# Altium PCB ШЮГИ.758724.220 Т9М.PcbDoc
Units mil, origin at the board's own origin, x right, y up, seen from the top; angles counter-clockwise.
Board outline 3740.16 x 4724.41 mil, 2 copper layers (Top Layer, Bottom Layer), stack 61.855 mil thick; 76 components, 64 nets, 345 pads, 49 vias.
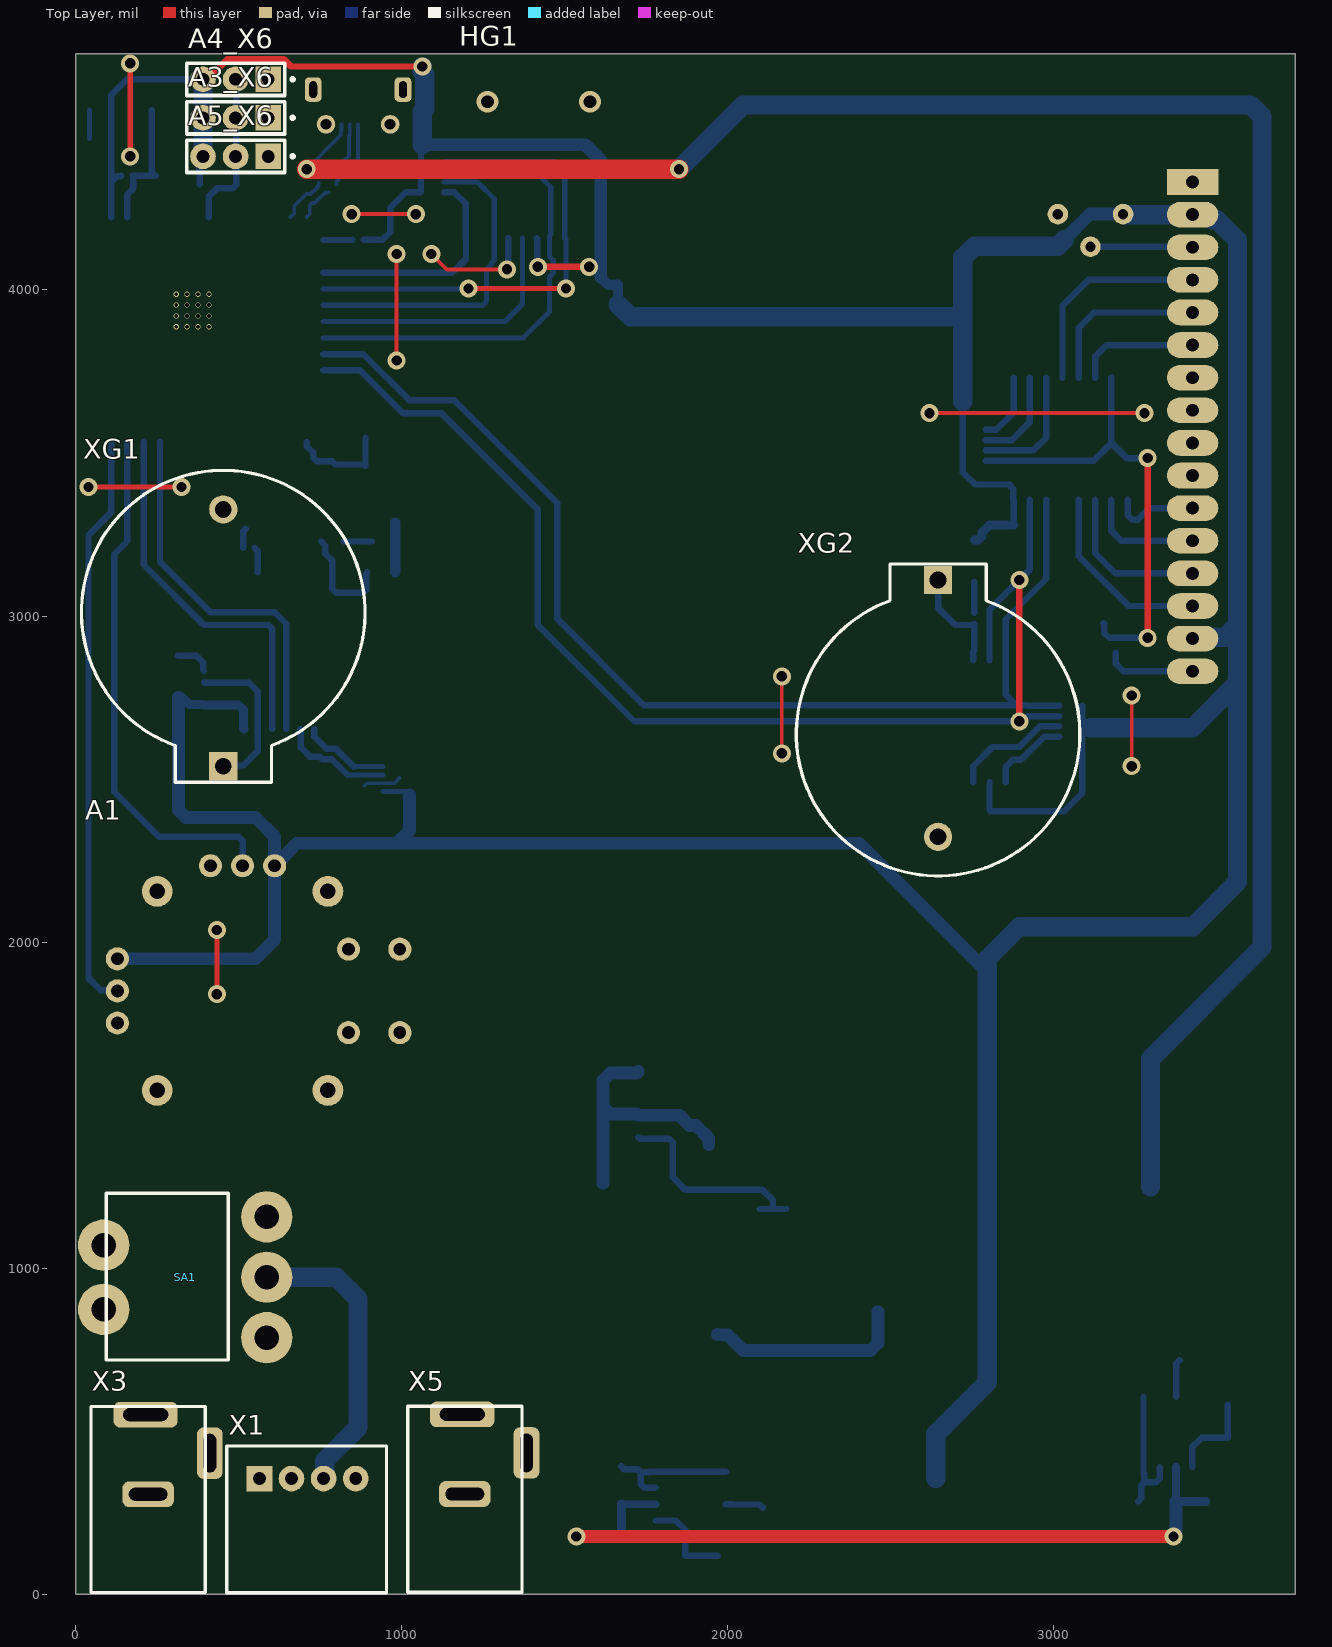
[diagram p0: Top Layer view]
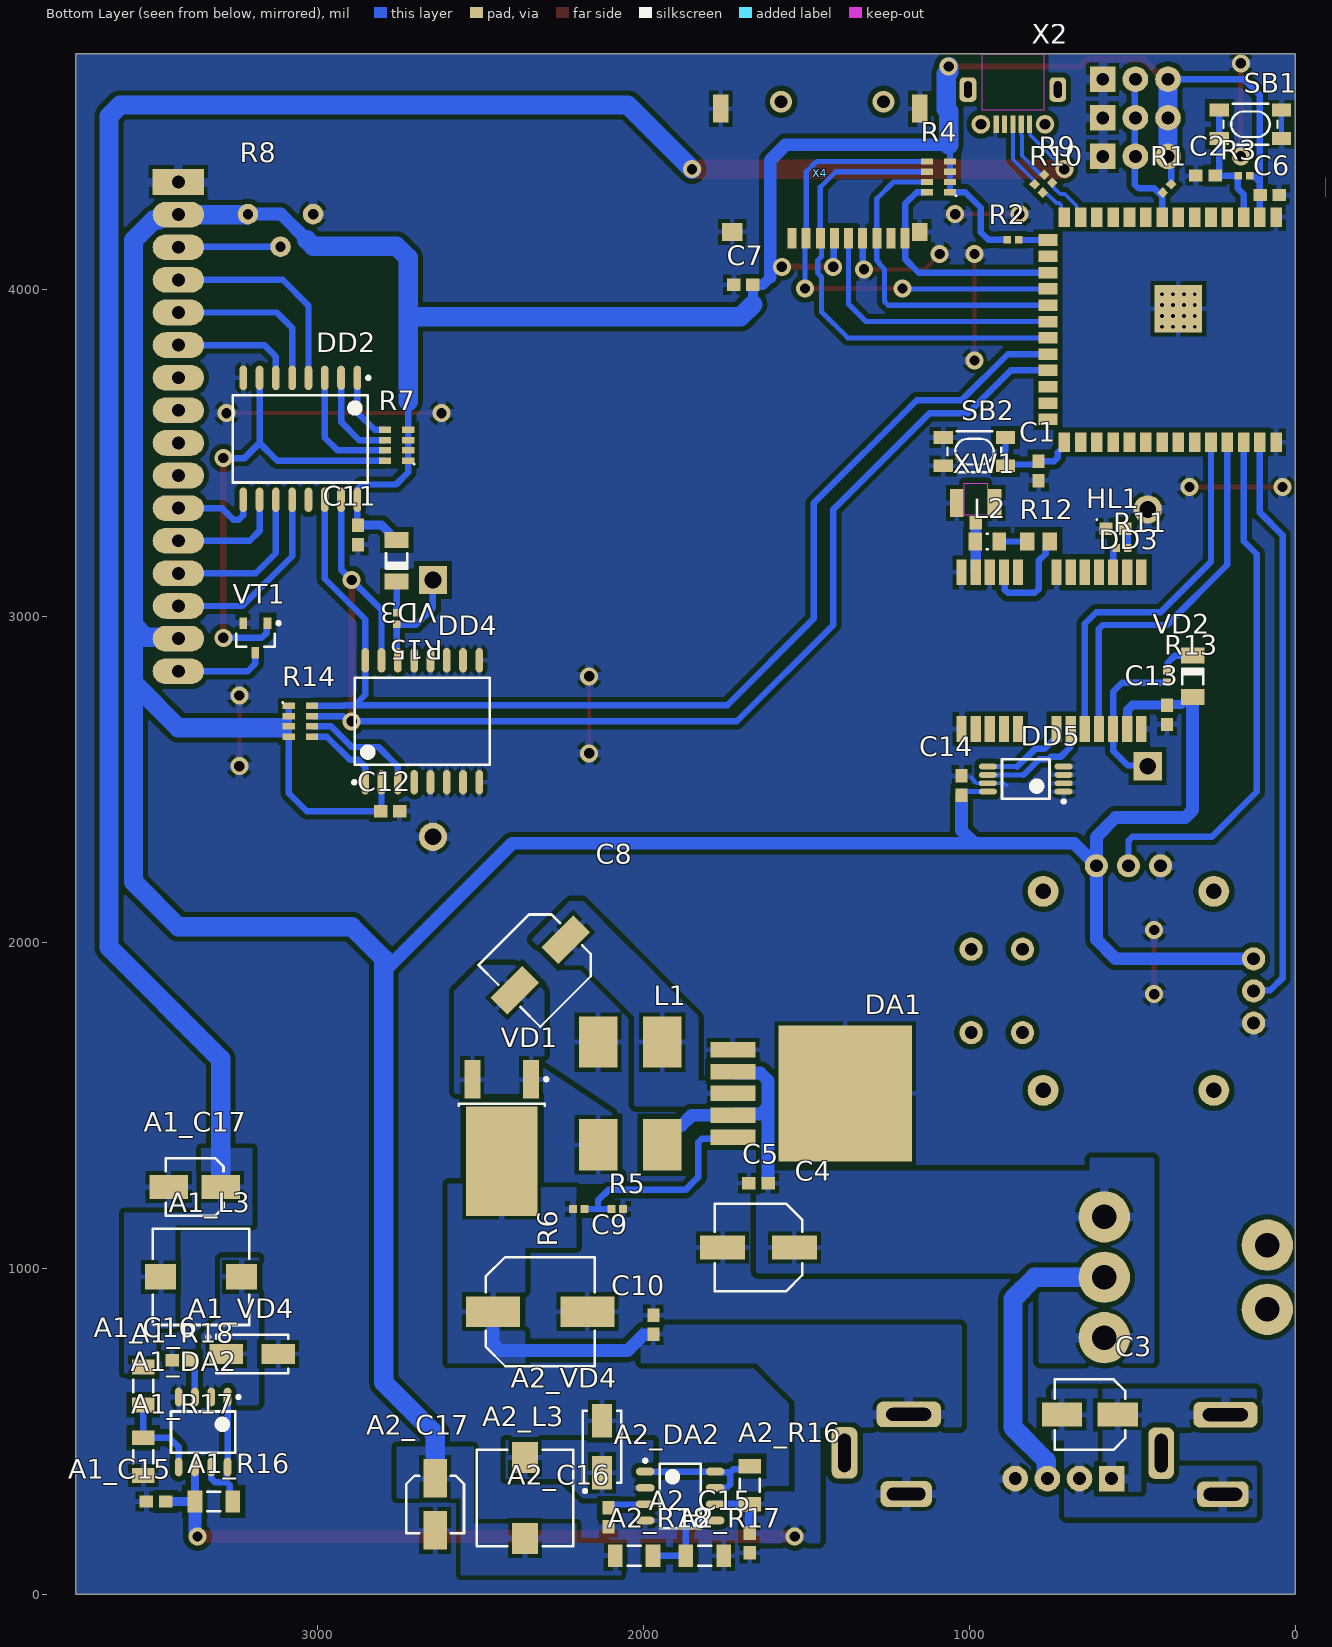
[diagram p1: Bottom Layer view, seen from below]

## Layer stack, top to bottom
Top Solder: solder mask 0.4, Solder Resist, Dk 3.5
Top Layer: signal copper 1.4
Dielectric 1: dielectric 59.0551, FR-4, Dk 4.8
Bottom Layer: signal copper 1.4
Bottom Solder: solder mask 0.4, Solder Resist, Dk 3.5

## Board outline
0,0 0,4724.41 3740.16,4724.41 3740.16,0

## Design rules (kind name [scope] priority, off if disabled: settings)
Clearance [All] p1: gap=11.81 ignorepadtopadclearanceinfootprint=TRUE
DiffPairsRouting [All] p1: maxlimit=19.68 minlimit=6 mostfreqgap=15.75 toplayer_minwidth=11.81 toplayer_maxwidth=19.68 toplayer_prefwidth=15.75 bottomlayer_minwidth=11.81 bottomlayer_maxwidth=19.68 bottomlayer_prefwidth=15.75 maxuncoupledlength=500
Height [All] p1: minheight=0 maxheight=3000 prefheight=1500
PlaneClearance [All] p1: clearance=11.81
PolygonConnect [All] p1: thpad.connectstyle=Relief thpad.reliefconductorwidth=27.56 thpad.reliefentries=4 thpad.polygonreliefangle="90 Angle" thpad.airgapwidth=11.81 smdpad.connectstyle=Relief smdpad.reliefconductorwidth=15.75 smdpad.reliefentries=4 smdpad.polygonreliefangle="90 Angle" smdpad.airgapwidth=11.81 via.connectstyle=Relief via.reliefconductorwidth=27.56 via.reliefentries=4 via.polygonreliefangle="90 Angle" via.airgapwidth=11.81
RoomDefinition A2 [InComponentClass('A2')] p1: confinementstyle=ConfineIn formatcopy=TRUE lockcomponents=FALSE outline 1614.17,39.37 2795.28,39.37 2795.28,610.24 1614.17,610.24
RoomDefinition A1 [InComponentClass('A1')] p2: confinementstyle=ConfineIn formatcopy=TRUE lockcomponents=FALSE outline 3611.5,225.68 3611.5,1406.78 3040.64,1406.78 3040.64,225.68
RoutingVias [All] p1: holewidth=31.5 width=55.12 viastyle="Through Hole" minholewidth=31.5 minwidth=55.12 maxholewidth=31.5 maxwidth=55.12
SolderMaskExpansion [All] p1: expansion=4 istentingtop=FALSE
SupplyNets "Schematic Supply Nets_2" [InNet('3V3')] p1: voltage=0.000
SupplyNets "Schematic Supply Nets_1" [InNet('12VP')] p2: voltage=0.000
SupplyNets "Schematic Supply Nets" [InNet('GND')] p3: voltage=0.000
Width [InNet('NetDD3_11')] p1: maxlimit=39.37 minlimit=27.56 preferedwidth=31.5
Width Width0 [InNetClass('PWR')] p2: maxlimit=59.06 minlimit=11.81 preferedwidth=19.68
Width Width1 [All] p3: maxlimit=19.68 minlimit=9.84 preferedwidth=15.75
27 further rules are at their usual default settings.

## Classes and differential pairs
net class PWR: 3V3 5VD 12VP GND NetC3_1 NetC3_2 NetC4_1 NetC8_1 NetC8_2 NetDA1_5 NetSA1_2
channel class "ШЮГИ.468262.004 Э3 Л3": A3 A4 A5
channel class "ШЮГИ.468262.004 Э3 Л2": A1 A2
component class "ШЮГИ.468262.004 Э3 Л1": A1 C1 C2 C3 C4 C5 C6 C7 C8 C9 C10 C11 C12 C13 C14 DA1 DD1 DD2 DD3 DD4 DD5 HG1 HL1 L1 L2 R1 R2 R3 R4 R5 R6 R7 R8 R9 R10 R11 R12 R13 R14 R15 SA1 SB1 SB2 VD1 VD2 VD3 VT1 X1 X2 X3 X4 X5 XG1 XG2 XW1
component class A5: A5_X6
component class A4: A4_X6
component class A3: A3_X6
component class A2: A2_C15 A2_C16 A2_C17 A2_DA2 A2_L3 A2_R16 A2_R17 A2_R18 A2_VD4
component class A1: A1_C15 A1_C16 A1_C17 A1_DA2 A1_L3 A1_R16 A1_R17 A1_R18 A1_VD4
differential pair D1: +D1_P -D1_N
differential pair 1D: +1D_P -1D_N

## Components (designator, comment, footprint, x,y, rotation, side; value= is the part's Value field where it differs from the comment)
A1 "KY-023 Aitewin Robot" JOISTIK 511.81,1850.39 r90 top
A1_C15 "0603B104J500CT Thunder" C0603 3493.39,284.73 r0 bottom value="0,1 uF" (schematic designator C15)
A1_C16 "0603B561J500CT Thunder" C0603 3414.65,717.8 r0 bottom value="560 pF" (schematic designator C16)
A1_C17 "JCK1C100M040054 JB Capacitors" AL4X54 3375.28,1249.3 r0 bottom value="10 uF" (schematic designator C17)
A1_DA2 "MC34063ADG" SO-8 3349.33,497.83 r270 bottom (schematic designator DA2)
A1_L3 "CDRH74NP-101MC-B SUMIDA CORPORATION" INDP7373X45N 3355.6,973.71 r0 bottom value="100 uH" (schematic designator L3)
A1_R16 "CRL1206-FW-R220ELF Bourns" R1206 3316.23,284.73 r180 bottom value="0,22 Ом" (schematic designator R16)
A1_R17 "Р1-12-0,25-1,21 кОм±2 %-Т-Л-М АБШК.434110.023 ТУ" R1206 3532.76,422.53 r90 bottom value="1,21 кОм" (schematic designator R17)
A1_R18 "Р1-12-0,25-3,65 кОм±2 %-Т-Л-М АБШК.434110.023 ТУ" R1206 3532.76,639.06 r90 bottom value="3,65 кОм" (schematic designator R18)
A1_VD4 "10MQ040 Sunmate Electronics" DO-214AC 3198.12,737.49 r180 bottom (schematic designator VD4)
A2_C15 "0603B104J500CT Thunder" C0603 1673.23,157.48 r270 bottom value="0,1 uF" (schematic designator C15)
A2_C16 "0603B561J500CT Thunder" C0603 2106.3,236.22 r270 bottom value="560 pF" (schematic designator C16)
A2_C17 "JCK1C100M040054 JB Capacitors" AL4X54 2637.8,275.59 r270 bottom value="10 uF" (schematic designator C17)
A2_DA2 "MC34063ADG" SO-8 1886.33,301.54 r180 bottom (schematic designator DA2)
A2_L3 "CDRH74NP-101MC-B SUMIDA CORPORATION" INDP7373X45N 2362.2,295.28 r270 bottom value="100 uH" (schematic designator L3)
A2_R16 "CRL1206-FW-R220ELF Bourns" R1206 1673.23,334.65 r90 bottom value="0,22 Ом" (schematic designator R16)
A2_R17 "Р1-12-0,25-1,21 кОм±2 %-Т-Л-М АБШК.434110.023 ТУ" R1206 1811.02,118.11 r0 bottom value="1,21 кОм" (schematic designator R17)
A2_R18 "Р1-12-0,25-3,65 кОм±2 %-Т-Л-М АБШК.434110.023 ТУ" R1206 2027.56,118.11 r0 bottom value="3,65 кОм" (schematic designator R18)
A2_VD4 "10MQ040 Sunmate Electronics" DO-214AC 2125.98,452.76 r90 bottom (schematic designator VD4)
A3_X6 "DS1021-01-1*3SSF112" PLS-3 590.55,4527.56 r180 top (schematic designator X6)
A4_X6 "DS1021-01-1*3SSF112" PLS-3 590.55,4645.67 r180 top (schematic designator X6)
A5_X6 "DS1021-01-1*3SSF112" PLS-3 590.55,4409.45 r180 top (schematic designator X6)
C1 "0603B104J500CT Thunder" C0603 787.4,3444.88 r270 bottom value="0,1 uF"
C2 "0603B104J500CT Thunder" C0603 275.59,4350.39 r0 bottom value="0,1 uF"
C3 "JCK1E100M050054 JB Capacitors" AL5X54 629.92,551.18 r0 bottom value="10 uF"
C4 "JCK1E470M063054 JB Capacitors" AL63X54 1646.21,1063.66 r0 bottom value="47 uF"
C5 "0603B104J500CT Thunder" C0603 1646.21,1260.51 r0 bottom value="0,1 uF"
C6 "0603B104J500CT Thunder" C0603 78.74,4291.34 r180 bottom value="0,1 uF"
C7 "0603B104J500CT Thunder" C0603 1692.91,4015.75 r180 bottom value="0,1 uF"
C8 "JCK1E220M063054 JB Capacitors" AL63X54 2315.5,1929.8 r315 bottom value="22 uF"
C9 "JCK1C221M080105 JB Capacitors" AL8X105 2315.5,866.81 r180 bottom value="220 uF"
C10 "0603B104J500CT Thunder" C0603 1968.5,826.77 r90 bottom value="0,1 uF"
C11 "0603B104J500CT Thunder" C0603 2874.02,3248.03 r90 bottom value="0,1 uF"
C12 "0603B104J500CT Thunder" C0603 2775.6,2401.58 r180 bottom value="0,1 uF"
C13 "0603B104J500CT Thunder" C0603 393.7,2696.85 r270 bottom value="0,1 uF"
C14 "0603B104J500CT Thunder" C0603 1023.62,2480.31 r90 bottom value="0,1 uF"
DA1 "XL6009E1" TO-263-5 1488.73,1536.1 r270 bottom
DD1 "ESP32-S3-WROOM1 MON16R8" ESP32-S3-WROOM1 358.66,3877.95 r180 bottom
DD2 "PCF8574T" "SOIC16 (10.3)" 3051.19,3543.31 r270 bottom
DD3 "NEO-6M" NEO-M8N 748.03,2893.7 r270 bottom
DD4 "DS3231S#" "SOIC16 (10.3)" 2677.17,2677.16 r90 bottom
DD5 "24AA32AT-I/ST" TSOP8 826.77,2500 r0 bottom
HG1 "BCB2004-03-LW-SNMWD Blaze Display Technology" LCD2004 3425.2,4330.71 r270 top
HL1 "FYLS-0603GC Ningbo Foryard Optoelectronics" L0603 551.18,3267.72 r0 bottom
L1 "7448991470 Würth Elektronik" 7448991220 2039.91,1536.1 r180 bottom value="47 uH"
L2 "LQM21DN220N00L Murata Electronics" IND0805 944.88,3228.35 r180 bottom value="22 uH"
R1 "Р1-12-0,063-10 кОм±2 %-Т-Л-М АБШК.434110.023 ТУ" R0402 393.7,4311.02 r135 bottom value="10 кОм"
R2 "Р1-12-0,063-10 кОм±2 %-Т-Л-М АБШК.434110.023 ТУ" R0402 866.14,4153.54 r0 bottom value="10 кОм"
R3 "Р1-12-0,063-10 кОм±2 %-Т-Л-М АБШК.434110.023 ТУ" R0402 157.48,4350.39 r0 bottom value="10 кОм"
R4 "НР1-86-6-10 кОм±1 %-М-«А» ШКАБ.434110.039 ТУ" НР1-86-6 1094.49,4346.46 r0 bottom value="10 кОм"
R5 "Р1-12-0,063-10 кОм±2 %-Т-Л-М АБШК.434110.023 ТУ" R0402 2079.28,1181.77 r0 bottom value="10 кОм"
R6 "Р1-12-0,063-86,6 кОм±2 %-Т-Л-М АБШК.434110.023 ТУ" R0402 2197.39,1181.77 r0 bottom value="86,6 кОм"
R7 "НР1-86-6-10 кОм±1 %-М-«А» ШКАБ.434110.039 ТУ" НР1-86-6 2755.91,3523.62 r0 bottom value="10 кОм"
R8 "3362P-1-103LF Bourns" 3362P 3011.82,4232.28 r0 bottom value="10 кОм"
R9 "Р1-12-0,063-22,1 Ом±2 %-Т-Л-М АБШК.434110.023 ТУ" R0402 757.87,4340.55 r225 bottom value="22,1 Ом"
R10 "Р1-12-0,063-22,1 Ом±2 %-Т-Л-М АБШК.434110.023 ТУ" R0402 787.4,4311.02 r225 bottom value="22,1 Ом"
R11 "Р1-12-0,063-1 кОм±2 %-Т-Л-М АБШК.434110.023 ТУ" R0402 531.5,3208.66 r0 bottom value="1 кОм"
R12 "Р1-12-0,125-22,1 Ом±2 %-Т-Л-М АБШК.434110.023 ТУ" R0805 787.4,3228.35 r180 bottom value="22,1 Ом"
R13 "Р1-12-0,063-1 кОм±2 %-Т-Л-М АБШК.434110.023 ТУ" R0402 393.7,2814.96 r90 bottom value="1 кОм"
R14 "НР1-86-6-10 кОм±1 %-М-«А» ШКАБ.434110.039 ТУ" НР1-86-6 3051.19,2677.17 r180 bottom value="10 кОм"
R15 "Р1-12-0,063-1 кОм±2 %-Т-Л-М АБШК.434110.023 ТУ" R0402 2755.91,2992.13 r270 bottom value="1 кОм"
SA1 "MTS-103-C3 Massuse Ltd." MTS-101-C3 585.94,787.4 r90 top
SB1 "KLS7-TS3401-2.5-250-B KLS Electronics Co., Ltd." TS3401 137.8,4507.87 r0 bottom
SB2 "KLS7-TS3401-2.5-250-B KLS Electronics Co., Ltd." TS3401 984.25,3503.94 r180 bottom
VD1 "VS-50WQ03FN-M3 Vishay Intertechnology Inc." "D-PAK 50WQ03" 2433.61,1417.99 r270 bottom
VD2 "LL4148 Diotec Semiconductor" SOD80 314.96,2814.96 r90 bottom
VD3 "LL4148 Diotec Semiconductor" SOD80 2755.91,3169.29 r270 bottom
VT1 "BC847 NXP Semiconductors" SOT-23-3 3188.98,2933.07 r270 bottom
X1 "DS1069-4MRW6XB Connfly electronic" CWF-4R 563.53,355 r0 top
X2 "1050017-0001" "MICRO USB" 866.14,4507.87 r0 bottom
X3 "DS-261A-PA9T-NB-210 Dragon City Industries" DS-261 222.44,551.01 r270 top
X4 "TFP09-2-12B" TFP09212B 1456.69,4429.13 r270 bottom
X5 "DS-261A-PA9T-NB-210 Dragon City Industries" DS-261 1193.45,551.85 r270 top
XG1 "KLS5-CR2032-01 KLS electronic co ltd" KLS5-CR2032-01 452.76,2539.37 r90 top (schematic designator G1)
XG2 "KLS5-CR2032-01 KLS electronic co ltd" KLS5-CR2032-01 2644.59,3110.24 r270 top (schematic designator G2)
XW1 "U.FL-R-SMT-1 HIROSE ELECTRIC CO., LTD." U.FL-R-SMT-1 980.32,3346.46 r180 bottom (schematic designator WA1)

## Footprints (in the part's own frame and the unit in brackets; to place one, negate y for a bottom-side part, rotate by r counter-clockwise, add the part's x,y. Pads: shape width x height; smd on the part's side, far side on the other; paste and mask are expansions set on the pad)
3362P [mm]
  round 1.6 hole 0.8: 1(0,0) 2(2.54,2.54) 3(5.08,0)
  body extent -0.76,-3.3 5.84,3.3, height 4.4
7448991220 [mm]
  rect 3x4 smd: 1(-2.5,4) 2(-2.5,-4) 3(2.5,-4) 4(2.5,4)
AL4X54 [mm] "Aluminum Electrolytic Capacitor, Body 4,30x4,30x5,70mm, IPC Low Density"
  rect 3x1.85 smd: 1(-2.025,0) 2(2.025,0)
  silkscreen extent -2.25,-2.25 2.25,2.25, body extent -2.6,-2.25 2.6,2.25, height 5.7
AL5X54 [mm] "Aluminum Electrolytic Capacitor, Body 5,30x5,30x5,70mm, IPC Low Density"
  rect 3.15x1.85 smd: 1(-2.175,0) 2(2.175,0)
  silkscreen extent -2.75,-2.75 2.75,2.75, body extent -2.9,-2.75 2.9,2.75, height 5.7
AL8X105 [mm] "Aluminum Electrolytic Capacitor, Body 8,30x8,30x10,50mm, IPC Low Density"
  rect 4.2x2.4 smd: 1(-3.675,0) 2(3.675,0)
  silkscreen extent -4.25,-4.25 4.25,4.25, body extent -4.65,-4.25 4.65,4.25, height 10.5
AL63X54 [mm] "Aluminum Electrolytic Capacitor, Body 6,60x6,60x6,50mm, IPC Low Density"
  rect 3.5x1.85 smd: 1(-2.794,0) 2(2.794,0)
  silkscreen extent -3.4,-3.4 3.4,3.4, body extent -3.8,-3.4 3.8,3.4, height 6.5
C0603 [mm] "Chip Capacitor, 2-Leads, Body 1,60x0,80mm, IPC Medium Density"
  rect 1.05x0.95 smd: 1(-0.75,0) 2(0.75,0)
  body extent -0.87,-0.45 0.87,0.45, height 0.55
CWF-4R [mm]
  rect 2x2 hole 1: 1(0,0)
  round 2 hole 1: 2(2.5,0) 3(5,0) 4(7.5,0)
  silkscreen extent -2.54,-8.89 9.91,2.54, body extent -2.5,-8.88 10,2.62, height 5.75
"D-PAK 50WQ03" [mm] "D-PAK, 3-Pads, Body 6,21x6,73mm (max), IPC Medium Density"
  rect 3x1.25 smd: 1(-4.1,-2.29) 1(-4.1,2.29)
  rect 8.5x5.55 smd: 2(2.286,0)
  silkscreen extent -4.22,-3.35 -2.05,3.59, body extent -4.35,-3.38 5.56,3.37, height 2.38
DO-214AC [mm] "Molded Diode, 2-Leads, Body 5,20x2,73mm, IPC Medium Density"
  rect 2.6x1.55 smd: 1(2.025,0) 2(-2.025,0)
  silkscreen extent -3.58,-1.5 2.8,1.5, body extent -3.02,-1.48 3.02,1.47, height 2.2
DS-261 [mm]
  rrect50% 2x5 hole 1 slot 3.5 at 90 deg: 1(0,-0.2)
  rrect50% 2x4 hole 1 slot 3 at 90 deg: 2(6.2,0)
  rrect50% 4x2 hole 1 slot 3 at 0 deg: 3(3,4.8)
  silkscreen extent -0.64,-4.44 13.84,4.45, body extent -0.3,-4.65 13.6,4.65, height 11
ESP32-S3-WROOM1 [mm]
  rect 0.9x1.5 smd mask+0.051: 1(7.62,8.763) 2(6.35,8.763) 3(5.08,8.763) 4(3.81,8.763) 5(2.54,8.763) 6(1.27,8.763) 7(0,8.763) 8(-1.27,8.763) 9(-2.54,8.763) 10(-3.81,8.763) 11(-5.08,8.763) 12(-6.35,8.763) 13(-7.62,8.763) 14(-8.89,8.763) 27(-8.89,-8.763) 28(-7.62,-8.763) 29(-6.35,-8.763) 30(-5.08,-8.763) 31(-3.81,-8.763) 32(-2.54,-8.763) 33(-1.27,-8.763) 34(0,-8.763) 35(1.27,-8.763) 36(2.54,-8.763) 37(3.81,-8.763) 38(5.08,-8.763) 39(6.35,-8.763) 40(7.62,-8.763)
  rect 1.5x0.9 smd mask+0.051: 15(-10.16,6.985) 16(-10.16,5.715) 17(-10.16,4.445) 18(-10.16,3.175) 19(-10.16,1.905) 20(-10.16,0.635) 21(-10.16,-0.635) 22(-10.16,-1.905) 23(-10.16,-3.175) 24(-10.16,-4.445) 25(-10.16,-5.715) 26(-10.16,-6.985)
  rect 3.7x3.7 smd mask+0.051: 41(0,1.621)
  body extent -10.4,-9.01 15.11,9.01, height 3.16
IND0805 [mm] "Chip Inductor, 2-Leads, Body 2,00x1,25mm, IPC Medium Density"
  rect 1.03x1.43 smd: 1(-0.935,0) 2(0.935,0)
  silkscreen extent -0.05,-0.62 0.05,0.62, body extent -1.1,-0.7 1.1,0.7, height 0.6
INDP7373X45N [mm] "Precision Wire Wound Inductor, 2-Leads, Body 7,30x7,30mm, IPC Medium Density"
  rect 2.4x2 smd: 1(-3.15,0) 2(3.15,0)
  silkscreen extent -3.75,-3.75 3.75,3.75, body extent -3.65,-3.65 3.65,3.65, height 4.51
JOISTIK [mm]
  round 2.4 hole 1.2: 0(-7.75,-6.65) 0(-7.75,6.65) 0(7.75,-6.65) 0(7.75,6.65)
  round 1.8 hole 1: 1(9.75,-2.5) 1'(2.5,9.75) 1S(-3.25,-8.25) 1S(3.25,-8.25) 2(9.75,0) 2'(0,9.75) 2S(-3.25,-12.25) 2S(3.25,-12.25) 3(9.75,2.5) 3'(-2.5,9.75)
  body extent -12.57,-14.59 12.57,12.5, height 30.95
KLS5-CR2032-01 [mm]
  round 2.2 hole 1.3: 1(20,0)
  rect 2.2x2.2 hole 1.3: 2(0,0)
  silkscreen extent -1.25,-11.04 23.04,11.04, body extent -1.25,-11.05 23.04,11.05, height 8.7
L0603 [mm] "Chip Diode, 2-Leads, Body 1,60x0,85mm, IPC Medium Density"
  rect 1x1 smd: 1(-0.75,0) 2(0.75,0)
  silkscreen extent 1.41,-0.76 1.51,-0.66, body extent -0.8,-0.4 0.8,0.4, height 1.1
LCD2004 [mm]
  rect 2x4 hole 1: 1(0,0)
  oval 2x4 hole 1: 2(2.54,0) 3(5.08,0) 4(7.62,0) 5(10.16,0) 6(12.7,0) 7(15.24,0) 8(17.78,0) 9(20.32,0) 10(22.86,0) 11(25.4,0) 12(27.94,0) 13(30.48,0) 14(33.02,0) 15(35.56,0) 16(38.1,0)
  body extent -9.86,-57.38 88.21,2.57, height 22.24
"MICRO USB" [mm]
  rrect50% 1.3x1.9 hole 0.6 slot 1.3 at 90 deg mask+0.102: 0(-3.5,-2.7) 0(3.5,-2.7)
  round 1.45 hole 0.85 mask+0.102: 0(-2.5,0) 0(2.5,0)
  rect 0.4x1.35 smd mask+0.102: 1(-1.3,0) 2(-0.65,0) 3(0,0) 4(0.65,0) 5(1.3,0)
  Top Layer keep-out region: -2.4,-1.1 2.4,-1.1 2.4,-5.5 -2.4,-5.5
  body extent -4.03,-5.4 4.03,0.4, height 2.73
MTS-101-C3 [mm]
  round 4 hole 1.9: 0(2.2,12.7) 0(7.2,12.7) 1(0,0) 2(4.7,0) 3(9.4,0)
  silkscreen extent -1.75,3 11.25,12.5, body extent -1.85,-0.5 11.35,31.38, height 8.03
NEO-M8N [mm]
  rect 2x0.8 smd mask+0.051: 1(-6.1,7) 2(-6.1,5.9) 3(-6.1,4.8) 4(-6.1,3.7) 5(-6.1,2.6) 6(-6.1,1.5) 7(-6.1,0.4) 8(-6.1,-2.6) 9(-6.1,-3.7) 10(-6.1,-4.8) 11(-6.1,-5.9) 12(-6.1,-7) 13(6.1,-7) 14(6.1,-5.9) 15(6.1,-4.8) 16(6.1,-3.7) 17(6.1,-2.6) 18(6.1,0.4) 19(6.1,1.5) 20(6.1,2.6) 21(6.1,3.7) 22(6.1,4.8) 23(6.1,5.9) 24(6.1,7)
  body extent -6.1,-8 6.1,8, height 2.42
PLS-3 [mm]
  rect 2x2 hole 1: 1(0,0)
  round 2 hole 1: 2(2.54,0) 3(5.08,0)
  silkscreen extent -2,-1.25 6.35,1.25, body extent -1.27,-1.27 6.35,1.27, height 8.6
R0402 [mm] "Chip Resistor, 2-Leads, Body 1,00x0,50mm, IPC Medium Density"
  rect 0.6x0.6 smd: 1(-0.45,0) 2(0.45,0)
  body extent -0.55,-0.3 0.55,0.3, height 0.35
R0805 [mm] "Chip Resistor, 2-Leads, Body 2,00x1,25mm, IPC Medium Density"
  rect 1.15x1.4 smd: 1(-0.875,0) 2(0.875,0)
  body extent -1.1,-0.7 1.1,0.7, height 0.6
R1206 [mm] "Chip Resistor, 2-Leads, Body 3,18x1,60mm, IPC Medium Density"
  rect 1.15x1.75 smd: 1(-1.475,0) 2(1.475,0)
  silkscreen extent -0.5,-0.77 0.5,0.77, body extent -1.68,-0.87 1.67,0.87, height 0.8
SO-8 [mm] "SOIC, 8-Leads, Body 4,90x3,90mm, Pitch 1,27mm, IPC Medium Density"
  oval 1.45x0.6 smd: 1(-2.725,1.905) 2(-2.725,0.635) 3(-2.725,-0.635) 4(-2.725,-1.905) 5(2.725,-1.905) 6(2.725,-0.635) 7(2.725,0.635) 8(2.725,1.905)
  silkscreen extent -2.85,-2.5 1.6,2.88, body extent -3,-2.5 3,2.5, height 1.75
SOD80 [mm] "MELF Diode, 2-Leads, Body 3,50x1,58mm, IPC Medium Density"
  rect 1.25x1.85 smd: 1(-1.625,0) 2(1.625,0)
  silkscreen extent -0.6,-0.83 0.6,0.82, body extent -1.75,-0.78 1.75,0.78, height 1.58
"SOIC16 (10.3)" [mm] "SOIC, 16-Leads, Body 10,30x7,50mm, Pitch 1,27mm, IPC Medium Density"
  oval 1.9x0.6 smd: 1(-4.75,4.445) 2(-4.75,3.175) 3(-4.75,1.905) 4(-4.75,0.635) 5(-4.75,-0.635) 6(-4.75,-1.905) 7(-4.75,-3.175) 8(-4.75,-4.445) 9(4.75,-4.445) 10(4.75,-3.175) 11(4.75,-1.905) 12(4.75,-0.635) 13(4.75,0.635) 14(4.75,1.905) 15(4.75,3.175) 16(4.75,4.445)
  silkscreen extent -4.87,-5.25 3.4,5.42, body extent -5.15,-5.25 5.15,5.25, height 1.27
SOT-23-3 [mm] "SOT23, 3-Leads, Body 2,90x2,30mm, Pitch 0,95mm, IPC Medium Density"
  rect 0.9x0.6 smd: 1(-1.15,0.95) 2(-1.15,-0.95) 3(1.15,0)
  silkscreen extent -1.27,-1.5 0.7,1.92, body extent -1.12,-1.52 1.52,1.52, height 1.04
TFP09212B [mil]
  rect 62.99x27.56 smd mask+2: 1(270.87,-86.61) 2(270.87,-43.31) 3(270.87,-0.01) 4(270.87,43.29) 5(270.87,86.59) 6(270.87,129.89) 7(270.87,173.19) 8(270.87,216.49) 9(270.87,259.79)
  rect 86.61x47.24 smd mask+2: 10(-126.77,-305.12) 10(-126.77,305.12)
  rect 55.12x62.99 smd mask+2: 10(251.18,-269.68)
  rect 55.12x47.24 smd mask+2: 10(251.18,305.12)
  body extent -377,-315 294,319, height 77
TO-263-5 [mm]
  rect 1.2x3.5 smd: 1(-3.4,-6) 2(-1.7,-6) 3(0,-6) 4(1.7,-6) 5(3.4,-6)
  rect 10.6x10.41 smd: 1(0,2.75)
  body extent -5.08,-7 5.08,7.01, height 2
TS3401 [mm]
  rect 1.5x1 smd: 1(-2.425,-1.1) 1(-2.425,1.1) 2(2.425,1.1) 2(2.425,-1.1)